# Altium PCB 整板_大板_one.PcbDoc (part 1 of 3)
Units mil, origin at the board's own origin, x right, y up, seen from the top; angles counter-clockwise.
Board outline 19488.19 x 7322.84 mil, 2 copper layers (Top Layer, Bottom Layer); 297 components, 275 nets, 1817 pads, 745 vias.
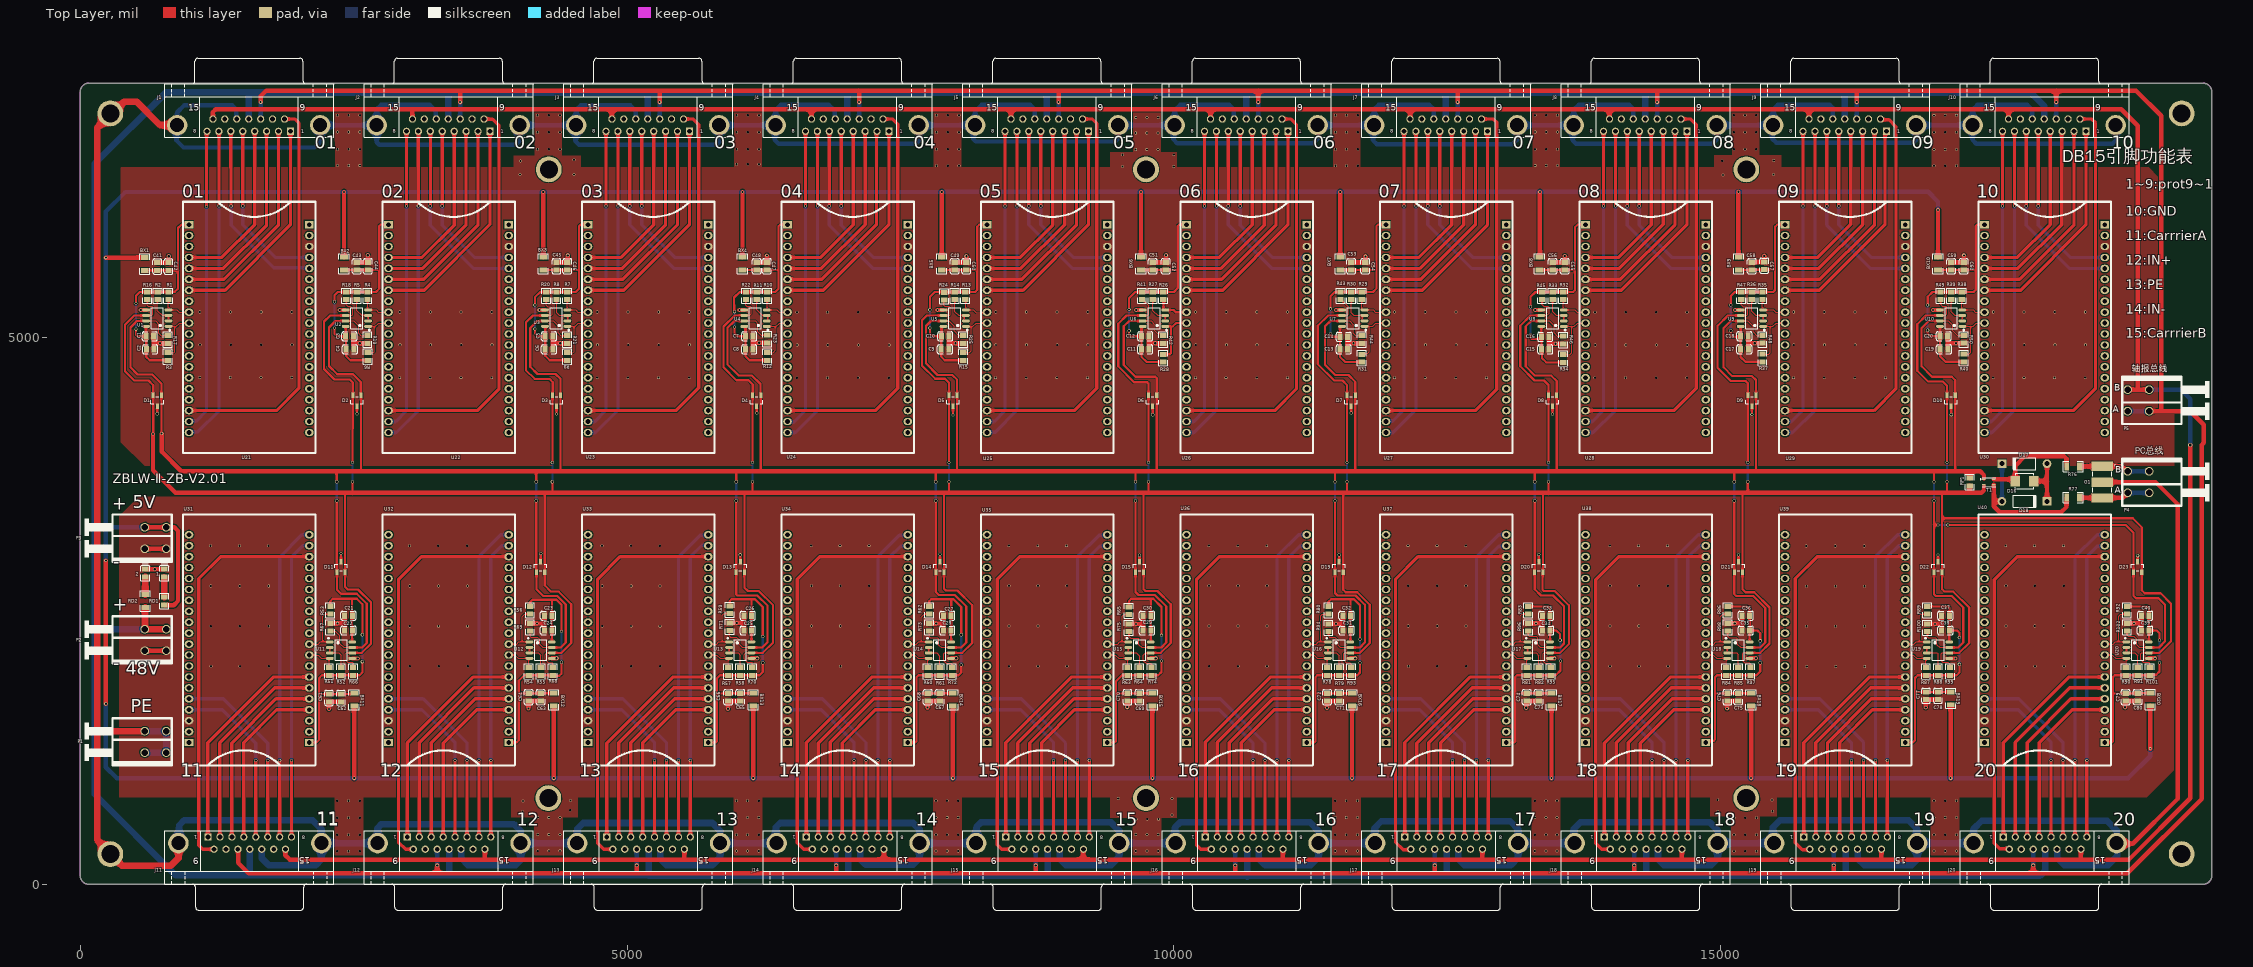
[diagram p0: Top Layer view]
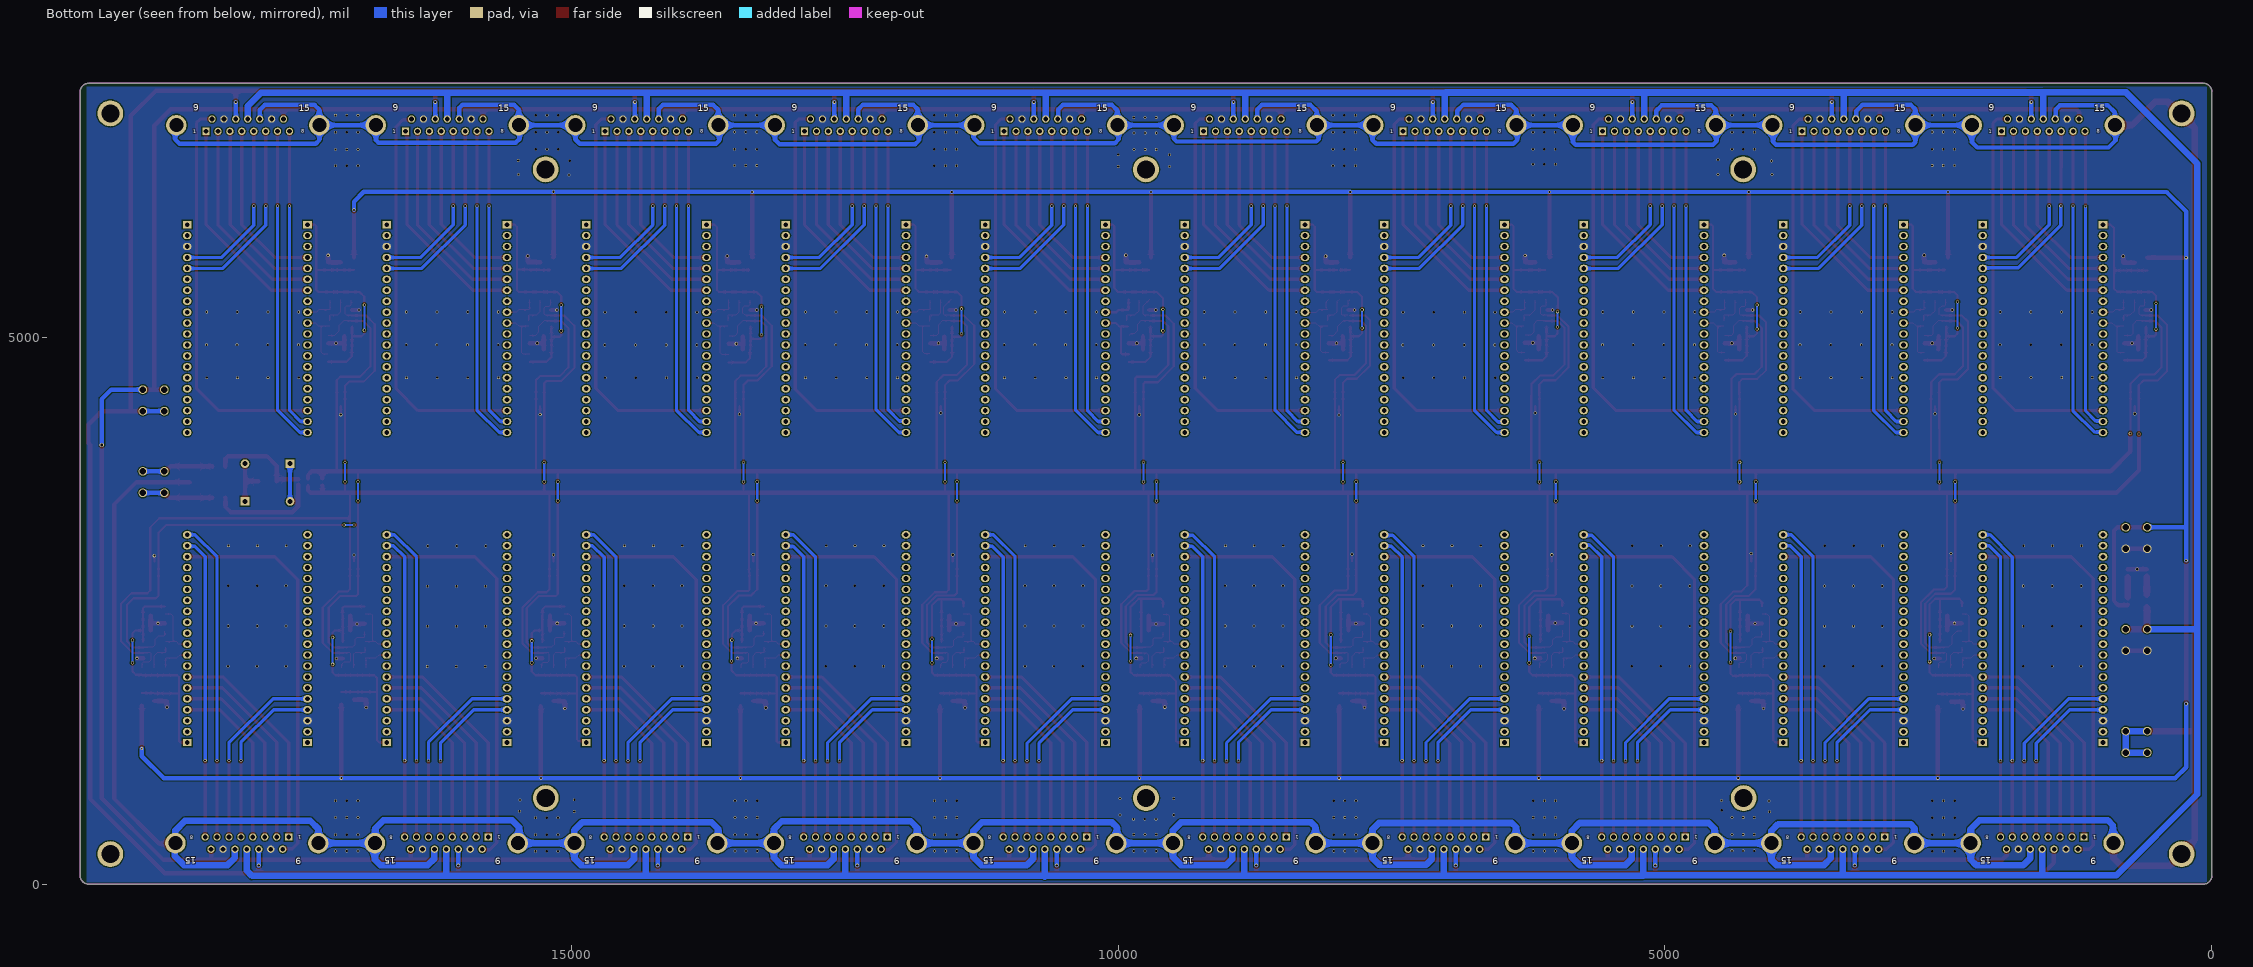
[diagram p1: Bottom Layer view, seen from below]
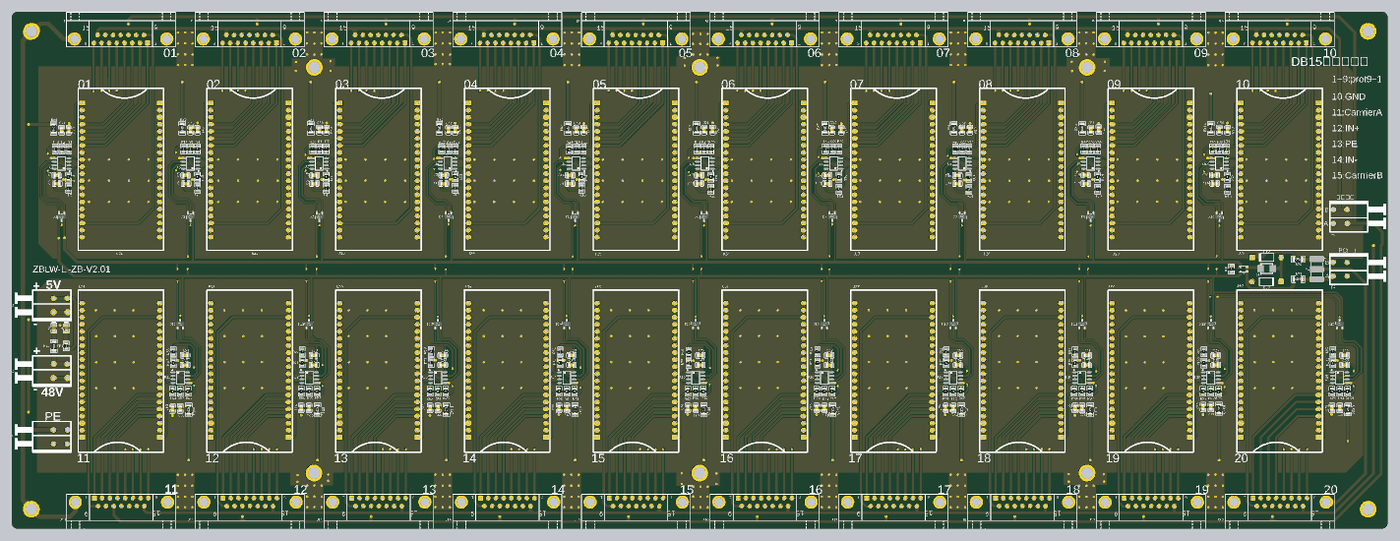
[diagram p4: 3D render of the assembled board from above, using the file's embedded part models]

## Layer stack, top to bottom
Top Solder: solder mask 0.4, Solder Resist, Dk 3.5
Top Layer: signal copper 1.4
Dielectric 1: dielectric 12.6, FR-4, Dk 4.8
Bottom Layer: signal copper 1.4
Bottom Solder: solder mask 0.4, Solder Resist, Dk 3.5

## Board outline
0,78.74 0,7244.09 cw(c78.74,7244.09) 78.74,7322.83 78.74,7322.84 19409.45,7322.84 cw(c19409.35,7244.19) 19488,7244.09 19488.19,7243.91 19488.19,78.74 cw(c19409.45,78.74) 19409.45,0 78.74,0 cw(c78.74,78.74)

## Design rules (kind name [scope] priority, off if disabled: settings)
Clearance Clearance_5 [InNamedPolygon('Bottom Layer-GND')] p1: gap=10 ignorepadtopadclearanceinfootprint=FALSE
Clearance Clearance_4 [InNamedPolygon('Bottom Layer-GND')] p2: gap=15 ignorepadtopadclearanceinfootprint=FALSE
Clearance Clearance_3 [InNamedPolygon('Bottom Layer-GND')] p3: gap=10 ignorepadtopadclearanceinfootprint=FALSE except(0: Arc-Hole Track-Hole SMDPad-Hole THPad-Hole Via-Hole Fill-Hole Poly-Hole Region-Hole Text-Hole)
Clearance Clearance_2 [InNamedPolygon('Bottom Layer-GND')] p4: gap=10 ignorepadtopadclearanceinfootprint=FALSE except(0: Arc-Hole Track-Hole SMDPad-Hole THPad-Hole Via-Hole Fill-Hole Poly-Hole Region-Hole Text-Hole; 19.68: Arc-Fill Arc-Poly Arc-Region Track-Fill Track-Poly Track-Region SMDPad-Fill SMDPad-Poly SMDPad-Region THPad-Fill THPad-Poly THPad-Region Via-Fill Via-Poly Via-Region Fill-Fill Fill-Poly Fill-Region Poly-Poly Poly-Region Region-Region)
Clearance Clearance_1 [InNamedPolygon('GND_L02_P000')] p5: gap=19.68 ignorepadtopadclearanceinfootprint=FALSE except(0: Arc-Hole Track-Hole SMDPad-Hole THPad-Hole Via-Hole Fill-Hole Poly-Hole Region-Hole Text-Hole; 10: Arc-SMDPad Arc-THPad Arc-Via Arc-Text Track-SMDPad Track-THPad Track-Via Track-Text SMDPad-SMDPad SMDPad-THPad SMDPad-Via SMDPad-Text THPad-THPad THPad-Via THPad-Text Via-Via Via-Text Fill-Text Poly-Text Region-Text Text-Text; 20: Arc-Arc Arc-Track Track-Track)
Clearance [All] p6: gap=10 ignorepadtopadclearanceinfootprint=FALSE except(0: Arc-Hole Track-Hole SMDPad-Hole THPad-Hole Via-Hole Fill-Hole Poly-Hole Region-Hole Text-Hole)
ComponentClearance [All] p1: gap=0 collisioncheckmode=3 verticalgap=0 showdistances=FALSE
HoleSize [All] p1: absolutevalues=TRUE maxlimit=200 minlimit=1 maxpercent=80.000 minpercent=20.000
HoleToHoleClearance [All] p1: gap=0 allowstackedmicrovias=TRUE
MinimumSolderMaskSliver [All] p1: minsoldermaskwidth=0
PlaneConnect [All] p1: planeconnectstyle=Direct reliefexpansion=20 reliefentries=4 reliefconductorwidth=10 reliefairgap=10
PolygonConnect PolygonConnect_2 [All vs IsNamedPolygon('Bottom Layer-GND')] p1: connectstyle=Direct reliefconductorwidth=10 reliefentries=4 polygonreliefangle="90 Angle" airgapwidth=10
PolygonConnect PolygonConnect_1 [All vs IsNamedPolygon('Bottom Layer-GND')] p2: thpad.connectstyle=Direct thpad.reliefconductorwidth=10 thpad.reliefentries=4 thpad.polygonreliefangle="90 Angle" thpad.airgapwidth=10 smdpad.connectstyle=Direct smdpad.reliefconductorwidth=10 smdpad.reliefentries=4 smdpad.polygonreliefangle="90 Angle" smdpad.airgapwidth=10 via.connectstyle=Relief via.reliefconductorwidth=10 via.reliefentries=4 via.polygonreliefangle="90 Angle" via.airgapwidth=10
PolygonConnect [All] p3: connectstyle=Direct reliefconductorwidth=10 reliefentries=4 polygonreliefangle="90 Angle" airgapwidth=10
RoutingVias [All] p1: holewidth=15 width=20 viastyle="Through Hole" minholewidth=10 minwidth=15 maxholewidth=200 maxwidth=200
SilkToSilkClearance [All] p1: silktosilkclearance=0
SilkToSolderMaskClearance [IsPad] p1: minsilkscreentomaskgap=0 clearancetoexposedcopper=TRUE
SolderMaskExpansion [All] p1: expansion=4
Width [All] p1: maxlimit=100 minlimit=10 preferedwidth=10
23 further rules are at their usual default settings.

## Components (designator, comment, footprint, x,y, rotation, side; value= is the part's Value field where it differs from the comment)
1 "翠绿 0805" 0805_LED_S1 770,2844.96 r270 top
2 "翠绿 0805" 0805_LED_S1 595,2845 r270 top
BX1 "8V 0.75A" 1206_R 590,5670 r270 top
BX2 "8V 0.75A" 1206_R 2411.67,5672.99 r270 top
BX3 "8V 0.75A" 1206_R 4233.33,5672.99 r270 top
BX4 "8V 0.75A" 1206_R 6055,5672.99 r270 top
BX5 "8V 0.75A" 1206_R 7876.67,5672.99 r270 top
BX6 "8V 0.75A" 1206_R 9698.33,5672.99 r270 top
BX7 "8V 0.75A" 1206_R 11520,5672.99 r270 top
BX8 "8V 0.75A" 1206_R 13341.67,5672.99 r270 top
BX9 "8V 0.75A" 1206_R 15163.33,5672.99 r270 top
BX10 "8V 0.75A" 1206_R 16985,5672.99 r270 top
BX11 "8V 0.75A" 1206_R 2505,1687.01 r90 top
BX12 "8V 0.75A" 1206_R 4329.44,1687.01 r90 top
BX13 "8V 0.75A" 1206_R 6153.89,1687.01 r90 top
BX14 "8V 0.75A" 1206_R 7978.33,1687.01 r90 top
BX15 "8V 0.75A" 1206_R 9802.78,1687.01 r90 top
BX16 "8V 0.75A" 1206_R 11627.22,1687.01 r90 top
BX17 "8V 0.75A" 1206_R 13451.67,1687.01 r90 top
BX18 "8V 0.75A" 1206_R 15276.11,1687.01 r90 top
BX19 "8V 0.75A" 1206_R 17100.56,1700 r90 top
BX20 "8V 0.75A" 1206_R 18925,1690 r90 top
C1 "Cap Semi" 0805_C 636.83,5008.98 r0 top value=106
C2 "Cap Semi" 0805_C 640,4890 r0 top value=104
C3 "Cap Semi" 0805_C 2461.83,5008.98 r0 top value=106
C4 "Cap Semi" 0805_C 2466.83,4890 r0 top value=104
C5 "Cap Semi" 0805_C 4286.83,5008.98 r0 top value=106
C6 "Cap Semi" 0805_C 4286.83,4890 r0 top value=104
C7 "Cap Semi" 0805_C 6116.83,5008.98 r0 top value=106
C8 "Cap Semi" 0805_C 6116.83,4890 r0 top value=104
C9 "Cap Semi" 0805_C 7906.83,4890 r0 top value=106
C10 "Cap Semi" 0805_C 7908.83,5008.98 r0 top value=104
C11 "Cap Semi" 0805_C 9736.83,4890 r0 top value=106
C12 "Cap Semi" 0805_C 9736.83,5008.98 r0 top value=104
C13 "Cap Semi" 0805_C 11551.83,4890 r0 top value=106
C14 "Cap Semi" 0805_C 11551.83,5005 r0 top value=104
C15 "Cap Semi" 0805_C 13394.96,4890 r0 top value=106
C16 "Cap Semi" 0805_C 13393.08,5005 r0 top value=104
C17 "Cap Semi" 0805_C 15215.04,4890 r0 top value=106
C18 "Cap Semi" 0805_C 15214.95,5010 r0 top value=104
C19 "Cap Semi" 0805_C 17039.96,4890 r0 top value=106
C20 "Cap Semi" 0805_C 17036.83,5010 r0 top value=104
C21 "Cap Semi" 0805_C 2453.17,2455 r180 top value=106
C22 "Cap Semi" 0805_C 2453.17,2320 r180 top value=104
C23 "Cap Semi" 0805_C 4278.17,2455 r180 top value=106
C24 "Cap Semi" 0805_C 4278.17,2320 r180 top value=104
C25 "Cap Semi" 0805_C 6103.17,2320 r180 top value=106
C26 "Cap Semi" 0805_C 6103.17,2455 r180 top value=104
C27 "Cap Semi" 0805_C 7928.17,2455 r180 top value=106
C28 "Cap Semi" 0805_C 7928.17,2320 r180 top value=104
C29 "Cap Semi" 0805_C 9753.17,2320 r180 top value=106
C30 "Cap Semi" 0805_C 9753.17,2455 r180 top value=104
C31 "Cap Semi" 0805_C 11578.17,2320 r180 top value=106
C32 "Cap Semi" 0805_C 11578.17,2455 r180 top value=104
C33 "Cap Semi" 0805_C 13403.17,2455 r180 top value=106
C34 "Cap Semi" 0805_C 13403.17,2320 r180 top value=104
C35 "Cap Semi" 0805_C 15228.17,2320 r180 top value=106
C36 "Cap Semi" 0805_C 15228.17,2455 r180 top value=104
C37 "Cap Semi" 0805_C 17053.17,2455 r180 top value=106
C38 "Cap Semi" 0805_C 17053.17,2320 r180 top value=104
C39 "Cap Semi" 0805_C 18878.17,2320 r180 top value=106
C40 "Cap Semi" 0805_C 18880,2455 r180 top value=104
C41 "Cap Semi" 0805_C 705,5646.97 r90 top value=106
C42 "Cap Semi" 0805_C 807.11,5646.97 r90 top value=104
C43 "Cap Semi" 0805_C 2530,5649.96 r90 top value=106
C44 "Cap Semi" 0805_C 2630.76,5649.96 r90 top value=104
C45 "Cap Semi" 0805_C 4355,5649.96 r90 top value=106
C46 "Cap Semi" 0805_C 4454.42,5649.96 r90 top value=104
C47 "Cap Semi" 0805_C 6278.07,5649.96 r90 top value=106
C48 "Cap Semi" 0805_C 6185,5649.96 r90 top value=104
C49 "Cap Semi" 0805_C 7995.63,5649.96 r90 top value=106
C50 "Cap Semi" 0805_C 8101.73,5649.96 r90 top value=104
C51 "Cap Semi" 0805_C 9805,5649.96 r90 top value=106
C52 "Cap Semi" 0805_C 9925.38,5649.96 r90 top value=104
C53 "Cap Semi" 0805_C 11620,5649.96 r90 top value=106
C54 "Cap Semi" 0805_C 11749.04,5649.96 r90 top value=104
C55 "Cap Semi" 0805_C 13572.69,5649.96 r90 top value=106
C56 "Cap Semi" 0805_C 13461.25,5649.96 r90 top value=104
C57 "Cap Semi" 0805_C 15396.35,5654.96 r90 top value=106
C58 "Cap Semi" 0805_C 15283.13,5649.96 r90 top value=104
C59 "Cap Semi" 0805_C 17105,5649.96 r90 top value=106
C60 "Cap Semi" 0805_C 17220,5649.96 r90 top value=104
C61 "Cap Semi" 0805_C 2275,1703.03 r270 top value=106
C62 "Cap Semi" 0805_C 2385,1703.03 r270 top value=104
C63 "Cap Semi" 0805_C 4210,1710.04 r270 top value=106
C64 "Cap Semi" 0805_C 4100,1710.04 r270 top value=104
C65 "Cap Semi" 0805_C 6035,1710.04 r270 top value=106
C66 "Cap Semi" 0805_C 5925,1710.04 r270 top value=104
C67 "Cap Semi" 0805_C 7860,1710.04 r270 top value=106
C68 "Cap Semi" 0805_C 7750,1710.04 r270 top value=104
C69 "Cap Semi" 0805_C 9685,1710.04 r270 top value=106
C70 "Cap Semi" 0805_C 9575,1710.04 r270 top value=104
C71 "Cap Semi" 0805_C 11510,1710.04 r270 top value=106
C72 "Cap Semi" 0805_C 11400,1710.04 r270 top value=104
C73 "Cap Semi" 0805_C 13335,1710.04 r270 top value=106
C74 "Cap Semi" 0805_C 13225,1710.04 r270 top value=104
C75 "Cap Semi" 0805_C 15160,1710.04 r270 top value=106
C76 "Cap Semi" 0805_C 15060,1710.04 r270 top value=104
C77 "Cap Semi" 0805_C 16875,1723.03 r270 top value=106
C78 "Cap Semi" 0805_C 16985,1723.03 r270 top value=104
C79 "Cap Semi" 0805_C 18700,1710.04 r270 top value=106
C80 "Cap Semi" 0805_C 18810,1710.04 r270 top value=104
D1 "SM712" SOT-23(SOT-23-3) 705,4420 r90 top
D2 "SM712" SOT-23(SOT-23-3) 2530,4420 r90 top
D3 "SM712" SOT-23(SOT-23-3) 4355,4420 r90 top
D4 "SM712" SOT-23(SOT-23-3) 6185,4420 r90 top
D5 "SM712" SOT-23(SOT-23-3) 7980,4420 r90 top
D6 "SM712" SOT-23(SOT-23-3) 9805,4420 r90 top
D7 "SM712" SOT-23(SOT-23-3) 11620,4420 r90 top
D8 "SM712" SOT-23(SOT-23-3) 13461.25,4420 r90 top
D9 "SM712" SOT-23(SOT-23-3) 15283.13,4420 r90 top
D10 "SM712" SOT-23(SOT-23-3) 17105,4420 r90 top
D11 "SM712" SOT-23(SOT-23-3) 2385,2900 r270 top
D12 "SM712" SOT-23(SOT-23-3) 4210,2900 r270 top
D13 "SM712" SOT-23(SOT-23-3) 6035,2900 r270 top
D14 "SM712" SOT-23(SOT-23-3) 7860,2900 r270 top
D15 "SM712" SOT-23(SOT-23-3) 9685,2900 r270 top
D16 "" SMBJ8_5CA 17859.92,3685 r180 top
D17 "" DO-41 17775.28,3845 r180 top
D18 "" DO-41 17775.28,3500 r0 top
D19 "SM712" SOT-23(SOT-23-3) 11510,2900 r270 top
D20 "SM712" SOT-23(SOT-23-3) 13335,2900 r270 top
D21 "SM712" SOT-23(SOT-23-3) 15160,2900 r270 top
D22 "SM712" SOT-23(SOT-23-3) 16985,2900 r270 top
D23 "SM712" SOT-23(SOT-23-3) 18810,2900 r270 top
G1 "" B3D090L-C 18485.28,3822.24 r270 top
J1 "Connector 15" DB15-PCB 1922.58,6883.19 r0 top
J2 "Connector 15" DB15-PCB 3746.47,6883.19 r0 top
J3 "Connector 15" DB15-PCB 5570.36,6883.19 r0 top
J4 "Connector 15" DB15-PCB 7394.25,6883.19 r0 top
J5 "Connector 15" DB15-PCB 9218.14,6883.19 r0 top
J6 "Connector 15" DB15-PCB 11042.03,6883.19 r0 top
J7 "Connector 15" DB15-PCB 12865.92,6883.19 r0 top
J8 "Connector 15" DB15-PCB 14689.81,6883.19 r0 top
J9 "Connector 15" DB15-PCB 16513.69,6883.19 r0 top
J10 "Connector 15" DB15-PCB 18337.58,6883.19 r0 top
J11 "Connector 15" DB15-PCB 1169.25,431.81 r180 top
J12 "Connector 15" DB15-PCB 2991.31,431.81 r180 top
J13 "Connector 15" DB15-PCB 4815.19,431.81 r180 top
J14 "Connector 15" DB15-PCB 6639.08,431.81 r180 top
J15 "Connector 15" DB15-PCB 8462.97,431.81 r180 top
J16 "Connector 15" DB15-PCB 10286.86,431.81 r180 top
J17 "Connector 15" DB15-PCB 12110.75,431.81 r180 top
J18 "Connector 15" DB15-PCB 13934.64,431.81 r180 top
J19 "Connector 15" DB15-PCB 15758.53,431.81 r180 top
J20 "Connector 15" DB15-PCB 17582.42,431.81 r180 top
P1 "Header 2" 弹簧端子-KF242V-5.0-2P 590.55,1203.11 r90 top
P2 "Header 2" 弹簧端子-KF242V-5.0-2P 590.55,2134.78 r90 top
P3 "Header 2" 弹簧端子-KF242V-5.0-2P 590.55,3066.46 r90 top
P4 "Header 2" 弹簧端子-KF242V-5.0-2P 18915,3775 r270 top
P5 "Header 2" 弹簧端子-KF242V-5.0-2P 18915,4521.85 r270 top
R1 "5.1K" 0805_R 807.11,5380.04 r90 top
R2 "5.1K" 0805_R 710,5380.04 r90 top
R3 "5.1K" 0805_R 802.11,4824.96 r270 top
R4 "5.1K" 0805_R 2627.11,5380.04 r90 top
R5 "5.1K" 0805_R 2530,5380.04 r90 top
R6 "5.1K" 0805_R 2630,4824.96 r270 top
R7 "5.1K" 0805_R 4452.11,5380.04 r90 top
R8 "5.1K" 0805_R 4355,5380 r90 top
R9 "5.1K" 0805_R 4452.11,4824.96 r270 top
R10 "5.1K" 0805_R 6280,5380 r90 top
R11 "5.1K" 0805_R 6185,5380.04 r90 top
R12 "5.1K" 0805_R 6280,4825 r270 top
R13 "5.1K" 0805_R 8092.74,5380 r90 top
R14 "5.1K" 0805_R 7995.62,5380 r90 top
R15 "5.1K" 0805_R 8072.11,4825 r270 top
R16 "10K" 0805_R 612.89,5380.04 r270 top
R17 "10K" 0805_R 802.11,4980.04 r270 top
R18 "10K" 0805_R 2432.89,5380.04 r270 top
R19 "10K" 0805_R 2627.11,4980.04 r270 top
R20 "10K" 0805_R 4260,5379.96 r270 top
R21 "10K" 0805_R 4452.11,4980.04 r270 top
R22 "10K" 0805_R 6087.89,5380.04 r270 top
R23 "10K" 0805_R 6282.11,4985.04 r270 top
R24 "10K" 0805_R 7898.51,5375 r270 top
R25 "10K" 0805_R 8074.11,4980.04 r270 top
R26 "5.1K" 0805_R 9902.11,5380 r90 top
R27 "5.1K" 0805_R 9805,5380 r90 top
R28 "5.1K" 0805_R 9902.11,4810 r270 top
R29 "5.1K" 0805_R 11717.11,5380 r90 top
R30 "5.1K" 0805_R 11620,5380 r90 top
R31 "5.1K" 0805_R 11717.11,4810 r270 top
R32 "5.1K" 0805_R 13558.36,5380 r90 top
R33 "5.1K" 0805_R 13461.25,5380 r90 top
R34 "5.1K" 0805_R 13558.36,4806.02 r270 top
R35 "5.1K" 0805_R 15380.24,5380 r90 top
R36 "5.1K" 0805_R 15283.12,5380 r90 top
R37 "5.1K" 0805_R 15380.24,4811.02 r270 top
R38 "5.1K" 0805_R 17202.11,5380 r90 top
R39 "5.1K" 0805_R 17105,5380 r90 top
R40 "5.1K" 0805_R 17220,4811.02 r270 top
R41 "10K" 0805_R 9707.89,5380 r270 top
R42 "10K" 0805_R 9902.11,4980.04 r270 top
R43 "10K" 0805_R 11522.89,5380 r270 top
R44 "10K" 0805_R 11717.11,4980.04 r270 top
R45 "10K" 0805_R 13364.14,5380 r270 top
R46 "10K" 0805_R 13558.36,4976.06 r270 top
R47 "10K" 0805_R 15186.01,5380 r270 top
R48 "10K" 0805_R 15380.24,4981.06 r270 top
R49 "10K" 0805_R 17007.89,5380 r270 top
R50 "10K" 0805_R 17220,4981.06 r270 top
R51 "5.1K" 0805_R 2275,1945.04 r270 top
R52 "5.1K" 0805_R 2385,1945 r270 top
R53 "5.1K" 0805_R 2287.89,2505 r90 top
R54 "5.1K" 0805_R 4100,1945 r270 top
R55 "5.1K" 0805_R 4210,1945 r270 top
R56 "5.1K" 0805_R 4112.89,2504.96 r90 top
R57 "5.1K" 0805_R 5925,1945 r270 top
R58 "5.1K" 0805_R 6035,1945 r270 top
R59 "5.1K" 0805_R 5937.89,2509.96 r90 top
R60 "5.1K" 0805_R 7750,1945 r270 top
R61 "5.1K" 0805_R 7860,1945 r270 top
R62 "5.1K" 0805_R 7762.89,2504.96 r90 top
R63 "5.1K" 0805_R 9575,1945 r270 top
R64 "5.1K" 0805_R 9685,1945 r270 top
R65 "5.1K" 0805_R 9587.89,2499.96 r90 top
R66 "10K" 0805_R 2495,1945 r90 top
R67 "10K" 0805_R 2287.89,2350 r90 top
R68 "10K" 0805_R 4320,1945 r90 top
R69 "10K" 0805_R 4112.89,2348.94 r90 top
R70 "10K" 0805_R 6145,1945 r90 top
R71 "10K" 0805_R 5937.89,2353.94 r90 top
R72 "10K" 0805_R 7970,1945 r90 top
R73 "10K" 0805_R 7762.89,2348.94 r90 top
R74 "10K" 0805_R 9795,1945 r90 top
R75 "10K" 0805_R 9587.89,2343.94 r90 top
R76 "" 1206_R 18220.28,3818.37 r0 top value=2.7R/2W
R77 "" 1206_R 18220.28,3534.78 r0 top value=2.7R/2W
R78 "5.1K" 0805_R 11400,1945 r270 top
R79 "5.1K" 0805_R 11510,1945 r270 top
R80 "5.1K" 0805_R 11412.89,2505 r90 top
R81 "5.1K" 0805_R 13225,1945 r270 top
R82 "5.1K" 0805_R 13335,1945 r270 top
R83 "5.1K" 0805_R 13237.89,2505 r90 top
R84 "5.1K" 0805_R 15050,1945 r270 top
R85 "5.1K" 0805_R 15160,1945 r270 top
R86 "5.1K" 0805_R 15062.89,2504.96 r90 top
R87 "5.1K" 0805_R 16875,1945 r270 top
R88 "5.1K" 0805_R 16985,1945 r270 top
R89 "5.1K" 0805_R 16887.89,2505 r90 top
R90 "5.1K" 0805_R 18700,1945 r270 top
R91 "5.1K" 0805_R 18810,1945 r270 top
R92 "5.1K" 0805_R 18712.89,2505 r90 top
R93 "10K" 0805_R 11620,1945 r90 top
R94 "10K" 0805_R 11412.89,2345 r90 top
R95 "10K" 0805_R 13445,1945 r90 top
R96 "10K" 0805_R 13237.89,2350 r90 top
R97 "10K" 0805_R 15270,1945 r90 top
R98 "10K" 0805_R 15062.89,2350 r90 top
R99 "10K" 0805_R 17095,1945 r90 top
R100 "10K" 0805_R 16887.89,2345 r90 top
R101 "10K" 0805_R 18920,1945 r90 top
R102 "10K" 0805_R 18712.89,2350 r90 top
RD1 "2.2KΩ (2201) ±1%" 0805_R 770,2588.66 r270 top
RD2 "24KΩ (2402) ±1%" 1206_R 595,2588.66 r270 top
RP1 "500" 0805_R 17275,3676.57 r270 top
T1 "" ACM2520-2P 17404.72,3702.17 r0 top
U1 "MAX13487" SOIC-8_150mil 705,5175 r90 top
U2 "MAX13487" SOIC-8_150mil 2530,5175 r90 top
U3 "MAX13487" SOIC-8_150mil 4351.88,5175 r90 top
U4 "MAX13487" SOIC-8_150mil 6173.75,5175 r90 top
U5 "MAX13487" SOIC-8_150mil 7995.62,5175 r90 top